# Altium PCB CM4-Main.PcbDoc
Units mm, origin at the board's own origin, x right, y up, seen from the top; angles counter-clockwise.
Board outline 66 x 66 mm, 6 copper layers (Top, GND1, Power, Signal, GND2, Bottom), stack 1.545 mm thick; 11 components, 0 nets, 210 pads, 0 vias.
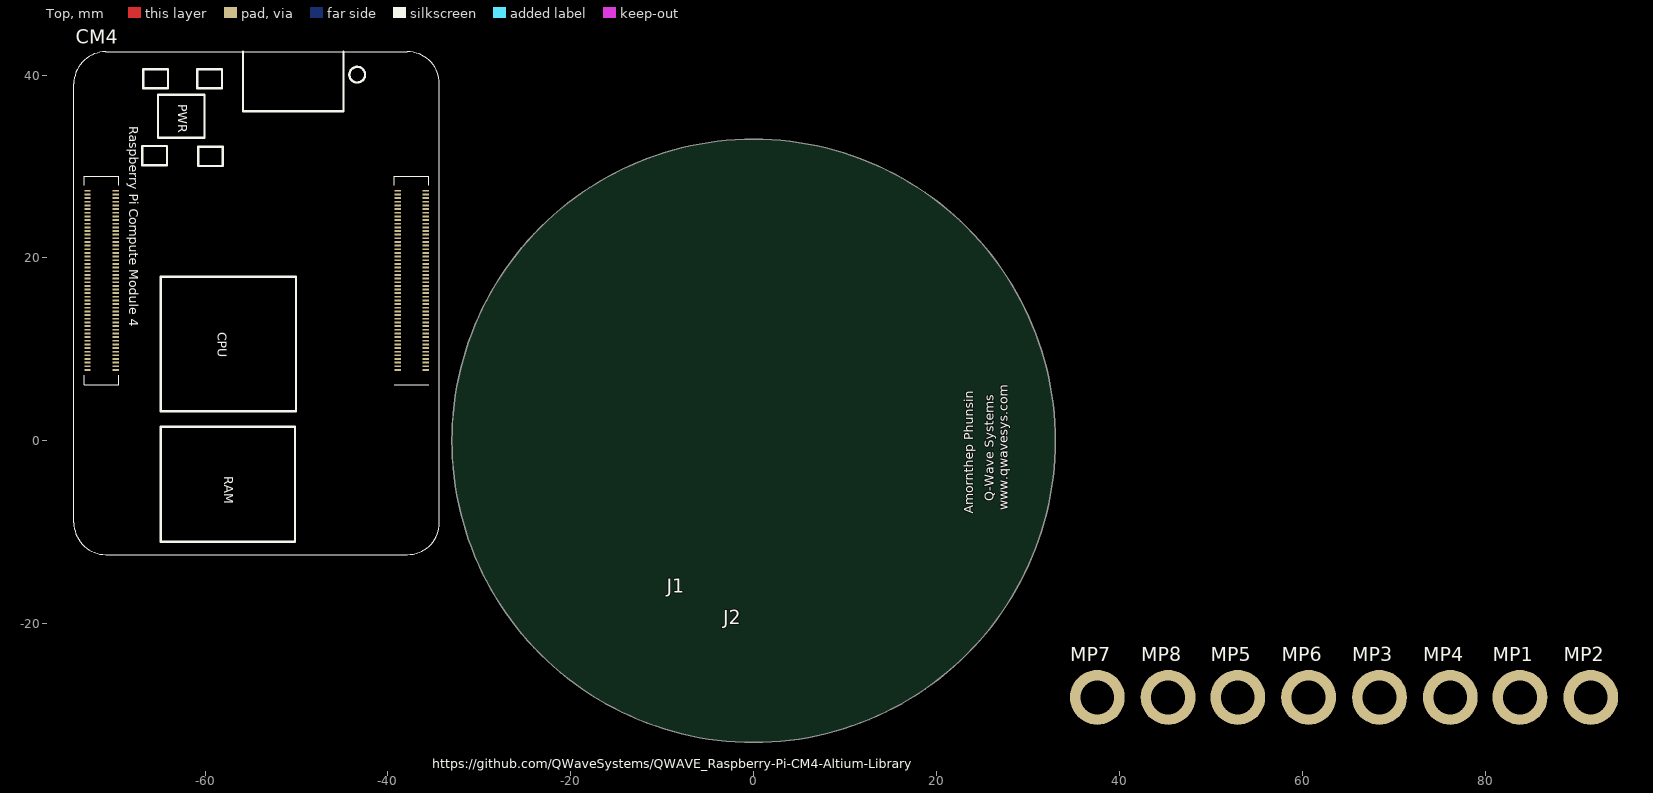
[diagram p0: Top view]
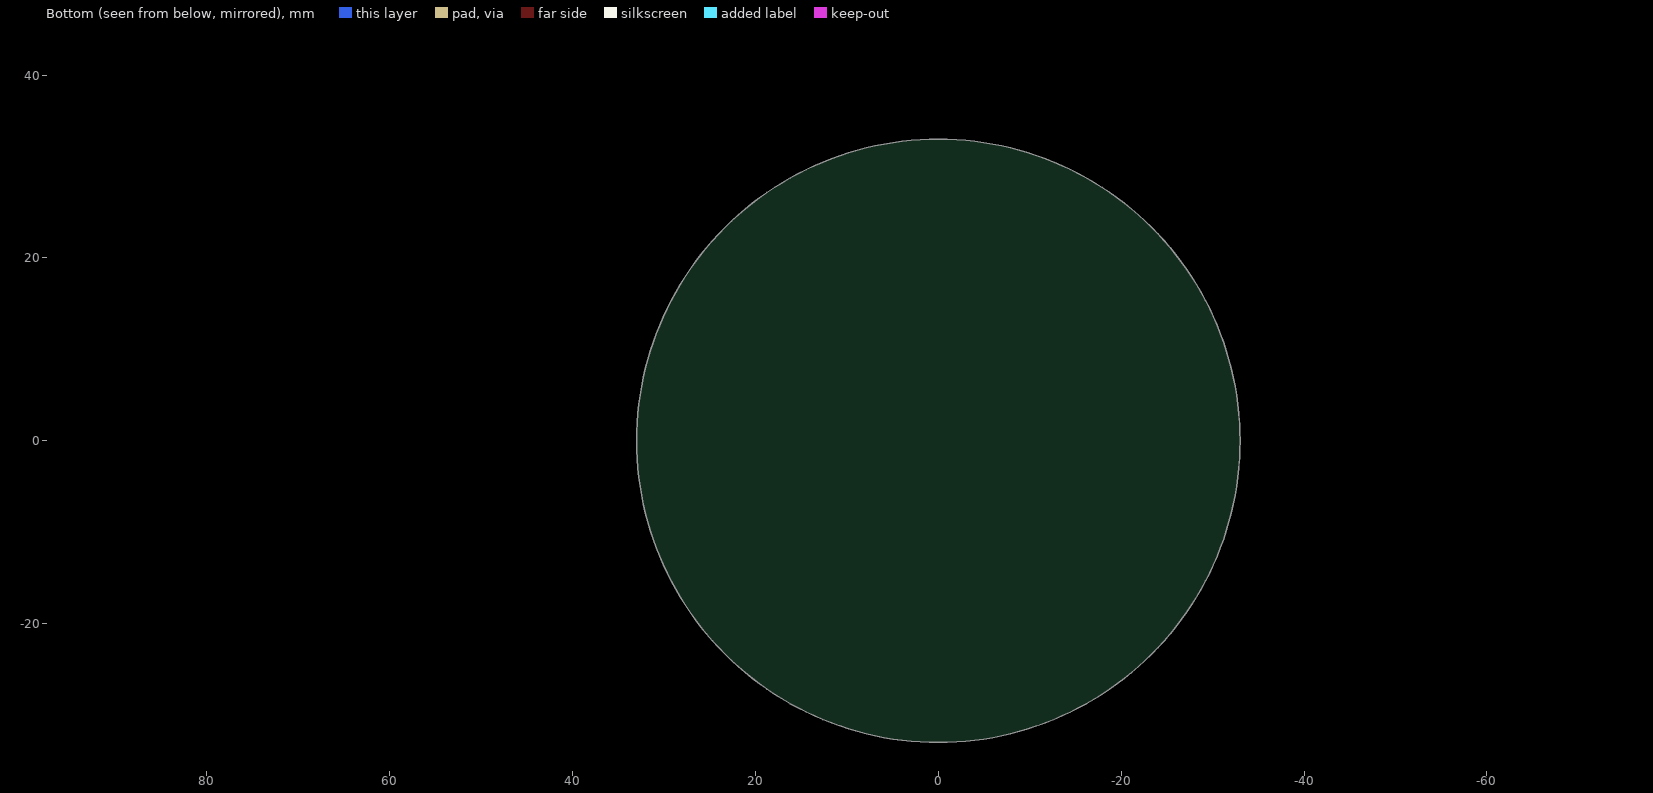
[diagram p1: Bottom view, seen from below]
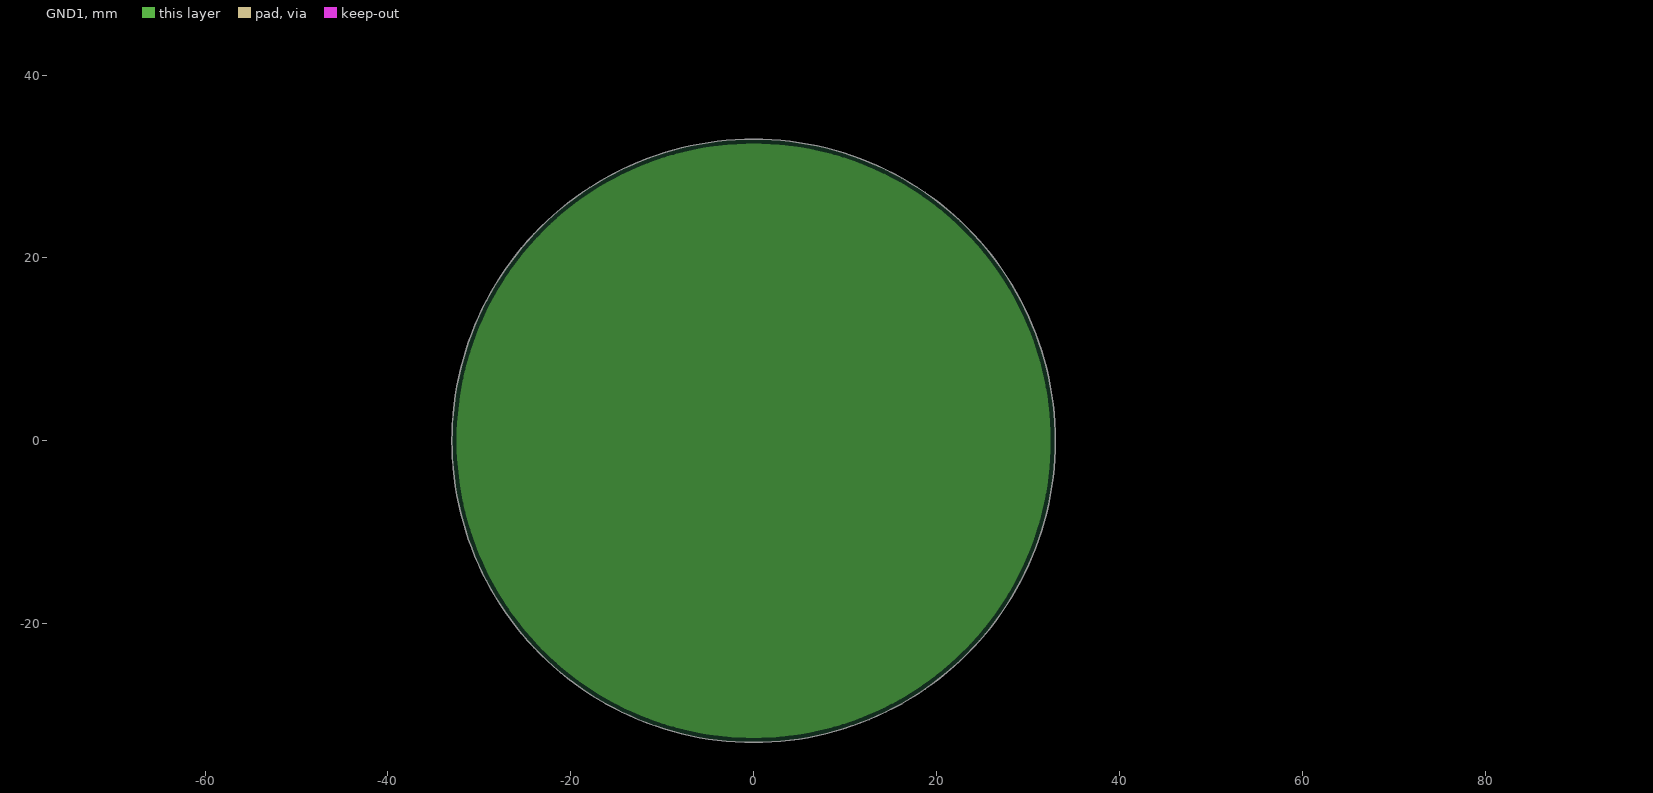
[diagram p2: GND1, clearances drawn from the general rule]
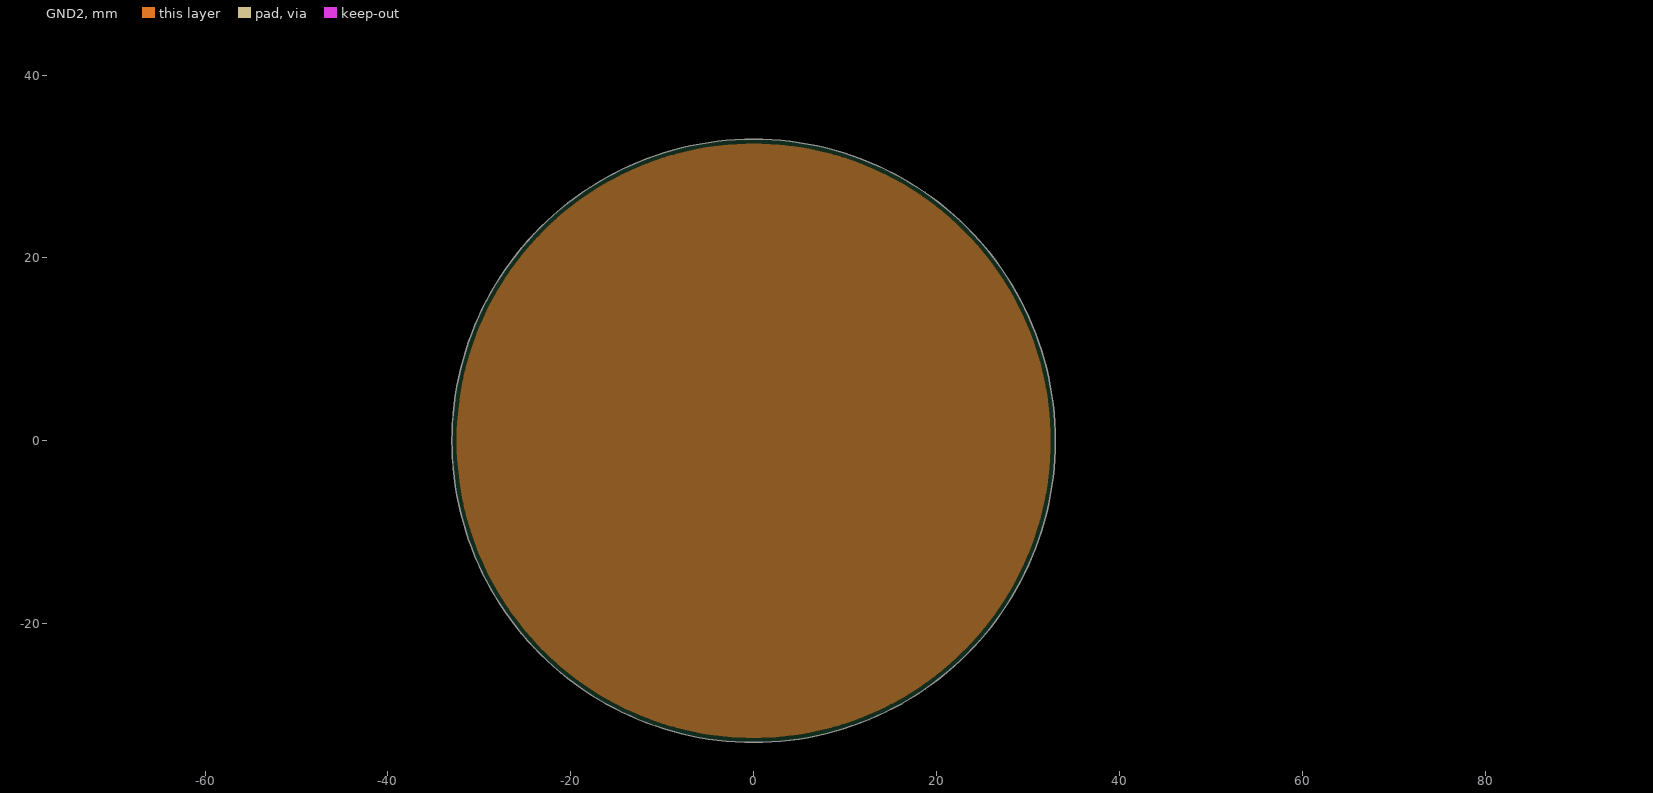
[diagram p3: GND2, clearances drawn from the general rule]

## Layer stack, top to bottom
Top Solder: solder mask 0.0254, SM-001, Dk 4
Top: signal copper 0.07
7628_PP1: prepreg 0.215, PP-S1000H, Dk 4.58
GND1: plane copper 0.07
2x2116_Core1: core 0.24, Core-S1000H, Dk 4.48
Power: signal copper 0.07
7628_PP2: prepreg 0.215, PP-S1000H, Dk 4.58
Signal: signal copper 0.07
2x2116_Core2: core 0.24, Core-S1000H, Dk 4.48
GND2: plane copper 0.07
7628_PP3: prepreg 0.215, PP-S1000H, Dk 4.58
Bottom: signal copper 0.07
Bottom Solder: solder mask 0.0254, SM-001, Dk 4

## Board outline
0,-33 cw(c0,0) -33,0 cw(c0,0) 0,33 cw(c0,0) 33,0 cw(c0,0)

## Design rules (kind name [scope] priority, off if disabled: settings)
Clearance [All] p1: gap=0.254 ignorepadtopadclearanceinfootprint=FALSE except(0: Arc-Hole Track-Hole SMDPad-Hole THPad-Hole Via-Hole Fill-Hole Poly-Hole Region-Hole Text-Hole)
PlaneClearance [All] p1: clearance=0.508
PlaneConnect [All] p1: planeconnectstyle=Relief reliefexpansion=0.508 reliefentries=4 reliefconductorwidth=0.254 reliefairgap=0.254
PolygonConnect [All] p1: connectstyle=Relief reliefconductorwidth=0.254 reliefentries=4 polygonreliefangle="90 Angle" airgapwidth=0.254
RoutingVias [All] p1: holewidth=0.711 width=1.27 viastyle="Through Hole" minholewidth=0.711 minwidth=1.27 maxholewidth=0.711 maxwidth=1.27
SolderMaskExpansion [All] p1: expansion=0.102 istentingtop=FALSE
Width [All] p1: maxlimit=0.254 minlimit=0.254 preferedwidth=0.254
28 further rules are at their usual default settings.

## Classes and differential pairs
differential pair class DIFF_USB2.0: USB2
differential pair class DIFF_PCIe: PCIE_CLK PCIE_RX PCIE_TX
differential pair class DIFF_MIPI: CAM0_C CAM0_D0 CAM0_D1 CAM1_C CAM1_D0 CAM1_D1 CAM1_D2 CAM1_D3 DSI0_C DSI0_D0 DSI0_D1 DSI1_C DSI1_D0 DSI1_D1 DSI1_D2 DSI1_D3
differential pair class DIFF_LAN_GB: TRD0 TRD1 TRD2 TRD3
differential pair class DIFF_HDMI: HDMI0_CLK HDMI0_TX0 HDMI0_TX1 HDMI0_TX2 HDMI1_CLK HDMI1_TX0 HDMI1_TX1 HDMI1_TX2
differential pair class DIFF_100Ohm_MIPI: CAM0_C CAM0_D0 CAM0_D1 CAM1_C CAM1_D0 CAM1_D1 CAM1_D2 CAM1_D3 DSI0_C DSI0_D0 DSI0_D1 DSI1_C DSI1_D0 DSI1_D1 DSI1_D2 DSI1_D3
differential pair class DIFF_100Ohm_HDMI: HDMI0_CLK HDMI0_TX0 HDMI0_TX1 HDMI0_TX2 HDMI1_CLK HDMI1_TX0 HDMI1_TX1 HDMI1_TX2
differential pair class DIFF_100Ohm_GBE: TRD0 TRD1 TRD2 TRD3
differential pair class DIFF_90Ohm_USB2.0: USB2
differential pair class DIFF_90Ohm_PCIe: PCIE_CLK PCIE_RX PCIE_TX
component class Connector: J1 J2
component class Spacer_M2.5: MP1 MP2 MP3 MP4 MP5 MP6 MP7 MP8
net class USB2.0_480Mbps: USB2_N
component class GPIO: CM4

## Components (designator, comment, footprint, x,y, rotation, side; value= is the part's Value field where it differs from the comment)
CM4 "Raspberry Pi Compute Module 4" CM4-F40C-100DS-0.4v_1.5mm_0mm -54.362,15.047 r0 top
J1 "Comment" CM4-DF40 -9.017,-17.78 r0 top
J2 "Comment" CM4-DF40 -2.413,-21.209 r0 top
MP1 "M2.5x1.5mm" 9774015151 83.82,-28.067 r0 top
MP2 "M2.5x1.5mm" 9774015151 91.567,-28.067 r0 top
MP3 "M2.5x1.5mm" 9774015151 68.453,-28.067 r0 top
MP4 "M2.5x1.5mm" 9774015151 76.2,-28.067 r0 top
MP5 "M2.5x3mm" 9774030151 52.959,-28.067 r0 top
MP6 "M2.5x3mm" 9774030151 60.706,-28.067 r0 top
MP7 "M2.5x3mm" 9774030151 37.592,-28.067 r0 top
MP8 "M2.5x3mm" 9774030151 45.339,-28.067 r0 top

## Footprints (in the part's own frame and the unit in brackets; to place one, negate y for a bottom-side part, rotate by r counter-clockwise, add the part's x,y. Pads: shape width x height; smd on the part's side, far side on the other; paste and mask are expansions set on the pad)
9774015151 [mm] "SMT Steel Spacer with internal Thread M2.5, height 1.5mm"
  round 6 / inner round 0 / far side round 0 hole 3.7 unplated: 1(0,0)
  body extent -2.55,-2.55 2.55,2.55, height 1.5
9774030151 [mm] "SMT Steel Spacer with internal Thread M2.5, height 3mm"
  round 6 / inner round 0 / far side round 0 hole 3.7 unplated: 1(0,0)
  body extent -2.55,-2.55 2.55,2.55, height 3
CM4-DF40 [mm] "DF40"
  round 0.5 on Top Overlay mask+0: NF(0,0)
CM4-F40C-100DS-0.4v_1.5mm_0mm [mm] "DF40C-100DS-0.4v by Amornthep Phunsin"
  rect 0.7x0.2 smd: 1(18.5,-7.3) 2(15.42,-7.3) 3(18.5,-6.9) 4(15.42,-6.9) 5(18.5,-6.5) 6(15.42,-6.5) 7(18.5,-6.1) 8(15.42,-6.1) 9(18.5,-5.7) 10(15.42,-5.7) 11(18.5,-5.3) 12(15.42,-5.3) 13(18.5,-4.9) 14(15.42,-4.9) 15(18.5,-4.5) 16(15.42,-4.5) 17(18.5,-4.1) 18(15.42,-4.1) 19(18.5,-3.7) 20(15.42,-3.7) 21(18.5,-3.3) 22(15.42,-3.3) 23(18.5,-2.9) 24(15.42,-2.9) 25(18.5,-2.5) 26(15.42,-2.5) 27(18.5,-2.1) 28(15.42,-2.1) 29(18.5,-1.7) 30(15.42,-1.7) 31(18.5,-1.3) 32(15.42,-1.3) 33(18.5,-0.9) 34(15.42,-0.9) 35(18.5,-0.5) 36(15.42,-0.5) 37(18.5,-0.1) 38(15.42,-0.1) 39(18.5,0.3) 40(15.42,0.3) 41(18.5,0.7) 42(15.42,0.7) 43(18.5,1.1) 44(15.42,1.1) 45(18.5,1.5) 46(15.42,1.5) 47(18.5,1.9) 48(15.42,1.9) 49(18.5,2.3) 50(15.42,2.3) 51(18.5,2.7) 52(15.42,2.7) 53(18.5,3.1) 54(15.42,3.1) 55(18.5,3.5) 56(15.42,3.5) 57(18.5,3.9) 58(15.42,3.9) 59(18.5,4.3) 60(15.42,4.3) 61(18.5,4.7) 62(15.42,4.7) 63(18.5,5.1) 64(15.42,5.1) 65(18.5,5.5) 66(15.42,5.5) 67(18.5,5.9) 68(15.42,5.9) 69(18.5,6.3) 70(15.42,6.3) 71(18.5,6.7) 72(15.42,6.7) 73(18.5,7.1) 74(15.42,7.1) 75(18.5,7.5) 76(15.42,7.5) 77(18.5,7.9) 78(15.42,7.9) 79(18.5,8.3) 80(15.42,8.3) 81(18.5,8.7) 82(15.42,8.7) 83(18.5,9.1) 84(15.42,9.1) 85(18.5,9.5) 86(15.42,9.5) 87(18.5,9.9) 88(15.42,9.9) 89(18.5,10.3) 90(15.42,10.3) 91(18.5,10.7) 92(15.42,10.7) 93(18.5,11.1) 94(15.42,11.1) 95(18.5,11.5) 96(15.42,11.5) 97(18.5,11.9) 98(15.42,11.9) 99(18.5,12.3) 100(15.42,12.3) 101(-15.42,-7.3) 102(-18.5,-7.3) 103(-15.42,-6.9) 104(-18.5,-6.9) 105(-15.42,-6.5) 106(-18.5,-6.5) 107(-15.42,-6.1) 108(-18.5,-6.1) 109(-15.42,-5.7) 110(-18.5,-5.7) 111(-15.42,-5.3) 112(-18.5,-5.3) 113(-15.42,-4.9) 114(-18.5,-4.9) 115(-15.42,-4.5) 116(-18.5,-4.5) 117(-15.42,-4.1) 118(-18.5,-4.1) 119(-15.42,-3.7) 120(-18.5,-3.7) 121(-15.42,-3.3) 122(-18.5,-3.3) 123(-15.42,-2.9) 124(-18.5,-2.9) 125(-15.42,-2.5) 126(-18.5,-2.5) 127(-15.42,-2.1) 128(-18.5,-2.1) 129(-15.42,-1.7) 130(-18.5,-1.7) 131(-15.42,-1.3) 132(-18.5,-1.3) 133(-15.42,-0.9) 134(-18.5,-0.9) 135(-15.42,-0.5) 136(-18.5,-0.5) 137(-15.42,-0.1) 138(-18.5,-0.1) 139(-15.42,0.3) 140(-18.5,0.3) 141(-15.42,0.7) 142(-18.5,0.7) 143(-15.42,1.1) 144(-18.5,1.1) 145(-15.42,1.5) 146(-18.5,1.5) 147(-15.42,1.9) 148(-18.5,1.9) 149(-15.42,2.3) 150(-18.5,2.3) 151(-15.42,2.7) 152(-18.5,2.7) 153(-15.42,3.1) 154(-18.5,3.1) 155(-15.42,3.5) 156(-18.5,3.5) 157(-15.42,3.9) 158(-18.5,3.9) 159(-15.42,4.3) 160(-18.5,4.3) 161(-15.42,4.7) 162(-18.5,4.7) 163(-15.42,5.1) 164(-18.5,5.1) 165(-15.42,5.5) 166(-18.5,5.5) 167(-15.42,5.9) 168(-18.5,5.9) 169(-15.42,6.3) 170(-18.5,6.3) 171(-15.42,6.7) 172(-18.5,6.7) 173(-15.42,7.1) 174(-18.5,7.1) 175(-15.42,7.5) 176(-18.5,7.5) 177(-15.42,7.9) 178(-18.5,7.9) 179(-15.42,8.3) 180(-18.5,8.3) 181(-15.42,8.7) 182(-18.5,8.7) 183(-15.42,9.1) 184(-18.5,9.1) 185(-15.42,9.5) 186(-18.5,9.5) 187(-15.42,9.9) 188(-18.5,9.9) 189(-15.42,10.3) 190(-18.5,10.3) 191(-15.42,10.7) 192(-18.5,10.7) 193(-15.42,11.1) 194(-18.5,11.1) 195(-15.42,11.5) 196(-18.5,11.5) 197(-15.42,11.9) 198(-18.5,11.9) 199(-15.42,12.3) 200(-18.5,12.3)
  silkscreen extent -20,-27.5 20,27.5, body extent -20,-27.5 20,27.5, height 5.16

## Part data
CM4: library part CM4, "Raspberry Pi Compute Module 4 by Amornthep Phunsin"
MP1 MP2 MP3 MP4: library part 9774015151, "WA-SMSI SMT Steel Spacer, M2.5 Thread Internal, OD 5.1mm, M2.5x1.5mm", Manufacturer="Wurth Elektronik", Operating Temperature="-55 to +150degC", ComponentLink1Description=Manufacturer, ComponentLink1URL=http://www.we-online.de, ComponentLink2Description=Datasheet, ComponentLink2URL=https://www.we-online.com/catalog/datasheet/9774015151.pdf, Inner Diameter=3.5mm, Inner Thread Length=-, Length=1.5mm, Manufacturer Part Number=9774015151, Material=Steel, Mounting Technology=SMT, Outer Diameter=5.1mm, Packaging=Bulk, Published Date="April 2020", Surface=Tin, Thread=M2.5
MP5 MP6 MP7 MP8: library part 9774030151, "WA-SMSI SMT Steel Spacer, M2.5 Thread Internal, OD 5.1mm, M2.5x3mm", Manufacturer="Wurth Elektronik", Operating Temperature="-55 to +150degC", ComponentLink1Description=Manufacturer, ComponentLink1URL=http://www.we-online.de, ComponentLink2Description=Datasheet, ComponentLink2URL=https://www.we-online.com/catalog/datasheet/9774030151.pdf, Inner Diameter=3.5mm, Inner Thread Length=-, Length=3mm, Manufacturer Part Number=9774030151, Material=Steel, Mounting Technology=SMT, Outer Diameter=5.1mm, Packaging=Bulk, Published Date="April 2020", Surface=Tin, Thread=M2.5

## Nets (pads, with @x,y where several pads share a name; then routed paths per layer and width w, separated by ;. In a path a pad name is that pad's centre, name@x,y a point inside that pad or via, vN(x,y) a via of type N, cw(c..) or ccw(c..) an arc to the next point about the centre after c; other vN are vias at no path point)
pads on no net: CM4.1 CM4.2 CM4.3 CM4.4 CM4.5 CM4.6 CM4.7 CM4.8 CM4.9 CM4.10 CM4.11 CM4.12 CM4.13 CM4.14 CM4.15 CM4.16 CM4.17 CM4.18 CM4.19 CM4.20 CM4.21 CM4.22 CM4.23 CM4.24 CM4.25 CM4.26 CM4.27 CM4.28 CM4.29 CM4.30 CM4.31 CM4.32 CM4.33 CM4.34 CM4.35 CM4.36 CM4.37 CM4.38 CM4.39 CM4.40 CM4.41 CM4.42 CM4.43 CM4.44 CM4.45 CM4.46 CM4.47 CM4.48 CM4.49 CM4.50 CM4.51 CM4.52 CM4.53 CM4.54 CM4.55 CM4.56 CM4.57 CM4.58 CM4.59 CM4.60 CM4.61 CM4.62 CM4.63 CM4.64 CM4.65 CM4.66 CM4.67 CM4.68 CM4.69 CM4.70 CM4.71 CM4.72 CM4.73 CM4.74 CM4.75 CM4.76 CM4.77 CM4.78 CM4.79 CM4.80 CM4.81 CM4.82 CM4.83 CM4.84 CM4.85 CM4.86 CM4.87 CM4.88 CM4.89 CM4.90 CM4.91 CM4.92 CM4.93 CM4.94 CM4.95 CM4.96 CM4.97 CM4.98 CM4.99 CM4.100 CM4.101 CM4.102 CM4.103 CM4.104 CM4.105 CM4.106 CM4.107 CM4.108 CM4.109 CM4.110 CM4.111 CM4.112 CM4.113 CM4.114 CM4.115 CM4.116 CM4.117 CM4.118 CM4.119 CM4.120 CM4.121 CM4.122 CM4.123 CM4.124 CM4.125 CM4.126 CM4.127 CM4.128 CM4.129 CM4.130 CM4.131 CM4.132 CM4.133 CM4.134 CM4.135 CM4.136 CM4.137 CM4.138 CM4.139 CM4.140 CM4.141 CM4.142 CM4.143 CM4.144 CM4.145 CM4.146 CM4.147 CM4.148 CM4.149 CM4.150 CM4.151 CM4.152 CM4.153 CM4.154 CM4.155 CM4.156 CM4.157 CM4.158 CM4.159 CM4.160 CM4.161 CM4.162 CM4.163 CM4.164 CM4.165 CM4.166 CM4.167 CM4.168 CM4.169 CM4.170 CM4.171 CM4.172 CM4.173 CM4.174 CM4.175 CM4.176 CM4.177 CM4.178 CM4.179 CM4.180 CM4.181 CM4.182 CM4.183 CM4.184 CM4.185 CM4.186 CM4.187 CM4.188 CM4.189 CM4.190 CM4.191 CM4.192 CM4.193 CM4.194 CM4.195 CM4.196 CM4.197 CM4.198 CM4.199 CM4.200 J1.NF J2.NF MP1.1 MP2.1 MP3.1 MP4.1 MP5.1 MP6.1 MP7.1 MP8.1

## Polygon pours and split planes (outlines as drawn)
no net on GND1 (split plane): 265 vertices, not listed, extent -32.492,-32.492 32.492,32.492
no net on GND2 (split plane): 265 vertices, not listed, extent -32.492,-32.492 32.492,32.492

## Silkscreen, mask and mechanical layers (free items; w line width, h text height)
Top Overlay:
  text "Q-Wave Systems" at 26.264,-6.629 h1 r90
  text "www.qwavesys.com" at 27.813,-7.62 h1 r90
  text "Amornthep Phunsin" at 24.003,-8.001 h1 r90
  text "https://github.com/QWaveSystems/QWAVE_Raspberry-Pi-CM4-Altium-Library" at -35.179,-35.814 h1
Mechanical 1:
  drawing of 214 lines, arcs and shapes, not listed
  text "I" at -20.823,107.502 h3.48
  text "m" at -19.628,107.502 h3.48
  text "p" at -17.041,107.502 h3.48
  text "e" at -15.448,107.502 h3.48
  text "d" at -13.856,107.502 h3.48
  text "a" at -12.263,107.502 h3.48
  text "n" at -10.67,107.502 h3.48
  text "c" at -9.078,107.502 h3.48
  text "e" at -7.684,107.502 h3.48
  text "s" at -6.092,107.502 h3.48
  text "3" at 0.437,107.502 h3.48
  text "G" at 2.029,107.502 h3.48
  text "H" at 4.02,107.502 h3.48
  text "z" at 6.011,107.502 h3.48
  text "#" at -13.869,103.72 h3.48
  text "T" at -3.338,103.72 h3.48
  text "a" at -1.348,103.72 h3.48
  text "r" at 0.245,103.72 h3.48
  text "g" at 1.24,103.72 h3.48
  text "e" at 2.833,103.72 h3.48
  text "t" at 4.425,103.72 h3.48
  text "(" at 6.416,103.72 h3.48
  text "Ω" at 7.61,103.72 h3.48
  text ")" at 9.8,103.72 h3.48
  text "T" at 13.948,103.72 h3.48
  text "y" at 15.938,103.72 h3.48
  text "p" at 17.531,103.72 h3.48
  text "e" at 19.123,103.72 h3.48
  text "T" at 23.684,103.72 h3.48
  text "r" at 25.674,103.72 h3.48
  text "a" at 26.67,103.72 h3.48
  text "c" at 28.262,103.72 h3.48
  text "e" at 29.656,103.72 h3.48
  text "l" at 32.243,103.72 h3.48
  text "a" at 32.642,103.72 h3.48
  text "y" at 34.234,103.72 h3.48
  text "e" at 35.827,103.72 h3.48
  text "r" at 37.419,103.72 h3.48
  text "C" at 39.777,103.72 h3.48
  text "a" at 41.569,103.72 h3.48
  text "l" at 43.162,103.72 h3.48
  text "c" at 43.56,103.72 h3.48
  text "u" at 44.953,103.72 h3.48
  text "l" at 46.546,103.72 h3.48
  text "a" at 46.944,103.72 h3.48
  text "t" at 48.536,103.72 h3.48
  text "e" at 49.532,103.72 h3.48
  text "d" at 51.124,103.72 h3.48
  text "(" at 53.712,103.72 h3.48
  text "Ω" at 54.906,103.72 h3.48
  text ")" at 57.096,103.72 h3.48
  text "T" at 59.845,103.72 h3.48
  text "r" at 61.836,103.72 h3.48
  text "a" at 62.831,103.72 h3.48
  text "c" at 64.424,103.72 h3.48
  text "e" at 65.817,103.72 h3.48
  text "w" at 68.405,103.72 h3.48
  text "i" at 70.396,103.72 h3.48
  text "d" at 70.794,103.72 h3.48
  text "t" at 72.386,103.72 h3.48
  text "h" at 73.382,103.72 h3.48
  text "(" at 75.969,103.72 h3.48
  text "m" at 77.164,103.72 h3.48
  text "m" at 79.752,103.72 h3.48
  text ")" at 82.34,103.72 h3.48
  text "G" at 84.88,103.72 h3.48
  text "a" at 86.871,103.72 h3.48
  text "p" at 88.463,103.72 h3.48
  text "(" at 91.051,103.72 h3.48
  text "m" at 92.245,103.72 h3.48
  text "m" at 94.833,103.72 h3.48
  text ")" at 97.421,103.72 h3.48
  text "R" at 100.179,103.72 h3.48
  text "e" at 101.971,103.72 h3.48
  text "f" at 103.563,103.72 h3.48
  text "e" at 104.558,103.72 h3.48
  text "r" at 106.151,103.72 h3.48
  text "e" at 107.146,103.72 h3.48
  text "n" at 108.739,103.72 h3.48
  text "c" at 110.331,103.72 h3.48
  text "e" at 111.725,103.72 h3.48
  text "l" at 114.313,103.72 h3.48
  text "a" at 114.711,103.72 h3.48
  text "y" at 116.303,103.72 h3.48
  text "e" at 117.896,103.72 h3.48
  text "r" at 119.488,103.72 h3.48
  text "s" at 120.484,103.72 h3.48
  text "1" at -13.471,99.937 h3.48
  text "5" at 2.225,99.937 h3.48
  text "0" at 3.818,99.937 h3.48
  text "S" at 13.749,99.937 h3.48
  text "i" at 15.342,99.937 h3.48
  text "n" at 15.74,99.937 h3.48
  text "g" at 17.332,99.937 h3.48
  text "l" at 18.925,99.937 h3.48
  text "e" at 19.323,99.937 h3.48
  text "B" at 26.267,99.937 h3.48
  text "o" at 28.058,99.937 h3.48
  text "t" at 29.651,99.937 h3.48
  text "t" at 30.646,99.937 h3.48
  text "o" at 31.641,99.937 h3.48
  text "m" at 33.234,99.937 h3.48
  text "4" at 43.751,99.937 h3.48
  text "9" at 45.344,99.937 h3.48
  text "." at 46.936,99.937 h3.48
  text "9" at 47.932,99.937 h3.48
  text "9" at 49.524,99.937 h3.48
  text "1" at 51.117,99.937 h3.48
  text "1" at 52.709,99.937 h3.48
  text "0" at 66.402,99.937 h3.48
  text "." at 67.994,99.937 h3.48
  text "3" at 68.99,99.937 h3.48
  text "3" at 70.582,99.937 h3.48
  text "2" at 72.175,99.937 h3.48
  text "9" at 73.767,99.937 h3.48
  text "1" at 75.36,99.937 h3.48
  text "G" at 107.133,99.937 h3.48
  text "N" at 109.124,99.937 h3.48
  text "D" at 111.114,99.937 h3.48
  text "2" at 113.105,99.937 h3.48
  text "2" at -13.471,92.373 h3.48
  text "5" at 2.225,92.373 h3.48
  text "0" at 3.818,92.373 h3.48
  text "S" at 13.749,92.373 h3.48
  text "i" at 15.342,92.373 h3.48
  text "n" at 15.74,92.373 h3.48
  text "g" at 17.332,92.373 h3.48
  text "l" at 18.925,92.373 h3.48
  text "e" at 19.323,92.373 h3.48
  text "S" at 27.459,92.373 h3.48
  text "i" at 29.051,92.373 h3.48
  text "g" at 29.449,92.373 h3.48
  text "n" at 31.042,92.373 h3.48
  text "a" at 32.634,92.373 h3.48
  text "l" at 34.227,92.373 h3.48
  text "4" at 44.546,92.373 h3.48
  text "9" at 46.138,92.373 h3.48
  text "." at 47.731,92.373 h3.48
  text "9" at 48.726,92.373 h3.48
  text "9" at 50.319,92.373 h3.48
  text "5" at 51.911,92.373 h3.48
  text "0" at 66.402,92.373 h3.48
  text "." at 67.994,92.373 h3.48
  text "2" at 68.99,92.373 h3.48
  text "7" at 70.582,92.373 h3.48
  text "5" at 72.175,92.373 h3.48
  text "2" at 73.767,92.373 h3.48
  text "5" at 75.36,92.373 h3.48
  text "G" at 107.133,92.373 h3.48
  text "N" at 109.124,92.373 h3.48
  text "D" at 111.114,92.373 h3.48
  text "2" at 113.105,92.373 h3.48
  text "3" at -13.471,84.808 h3.48
  text "5" at 2.225,84.808 h3.48
  text "0" at 3.818,84.808 h3.48
  text "S" at 13.749,84.808 h3.48
  text "i" at 15.342,84.808 h3.48
  text "n" at 15.74,84.808 h3.48
  text "g" at 17.332,84.808 h3.48
  text "l" at 18.925,84.808 h3.48
  text "e" at 19.323,84.808 h3.48
  text "T" at 28.452,84.808 h3.48
  text "o" at 30.443,84.808 h3.48
  text "p" at 32.035,84.808 h3.48
  text "4" at 43.751,84.808 h3.48
  text "9" at 45.344,84.808 h3.48
  text "." at 46.936,84.808 h3.48
  text "9" at 47.932,84.808 h3.48
  text "9" at 49.524,84.808 h3.48
  text "5" at 51.117,84.808 h3.48
  text "6" at 52.709,84.808 h3.48
  text "0" at 68.786,84.808 h3.48
  text "." at 70.379,84.808 h3.48
  text "3" at 71.374,84.808 h3.48
  text "3" at 72.966,84.808 h3.48
  text "G" at 107.133,84.808 h3.48
  text "N" at 109.124,84.808 h3.48
  text "D" at 111.114,84.808 h3.48
  text "1" at 113.105,84.808 h3.48
  text "1" at -14.266,73.461 h3.48
  text "0" at -12.674,73.461 h3.48
  text "9" at 2.225,73.461 h3.48
  text "0" at 3.818,73.461 h3.48
  text "D" at 12.358,73.461 h3.48
  text "i" at 14.349,73.461 h3.48
  text "f" at 14.747,73.461 h3.48
  text "f" at 15.742,73.461 h3.48
  text "p" at 17.733,73.461 h3.48
  text "a" at 19.326,73.461 h3.48
  text "i" at 20.918,73.461 h3.48
  text "r" at 21.316,73.461 h3.48
  text "B" at 26.267,73.461 h3.48
  text "o" at 28.058,73.461 h3.48
  text "t" at 29.651,73.461 h3.48
  text "t" at 30.646,73.461 h3.48
  text "o" at 31.641,73.461 h3.48
  text "m" at 33.234,73.461 h3.48
  text "8" at 43.751,73.461 h3.48
  text "9" at 45.344,73.461 h3.48
  text "." at 46.936,73.461 h3.48
  text "9" at 47.932,73.461 h3.48
  text "9" at 49.524,73.461 h3.48
  text "0" at 51.117,73.461 h3.48
  text "1" at 52.709,73.461 h3.48
  text "0" at 66.402,73.461 h3.48
  text "." at 67.994,73.461 h3.48
  text "2" at 68.99,73.461 h3.48
  text "3" at 70.582,73.461 h3.48
  text "4" at 72.175,73.461 h3.48
  text "9" at 73.767,73.461 h3.48
  text "7" at 75.36,73.461 h3.48
  text "0" at 87.264,73.461 h3.48
  text "." at 88.857,73.461 h3.48
  text "2" at 89.852,73.461 h3.48
  text "0" at 91.445,73.461 h3.48
  text "3" at 93.037,73.461 h3.48
  text "2" at 94.63,73.461 h3.48
  text "G" at 107.133,73.461 h3.48
  text "N" at 109.124,73.461 h3.48
  text "D" at 111.114,73.461 h3.48
  text "2" at 113.105,73.461 h3.48
  text "1" at -14.266,65.897 h3.48
  text "1" at -12.674,65.897 h3.48
  text "9" at 2.225,65.897 h3.48
  text "0" at 3.818,65.897 h3.48
  text "D" at 12.358,65.897 h3.48
  text "i" at 14.349,65.897 h3.48
  text "f" at 14.747,65.897 h3.48
  text "f" at 15.742,65.897 h3.48
  text "p" at 17.733,65.897 h3.48
  text "a" at 19.326,65.897 h3.48
  text "i" at 20.918,65.897 h3.48
  text "r" at 21.316,65.897 h3.48
  text "S" at 27.459,65.897 h3.48
  text "i" at 29.051,65.897 h3.48
  text "g" at 29.449,65.897 h3.48
  text "n" at 31.042,65.897 h3.48
  text "a" at 32.634,65.897 h3.48
  text "l" at 34.227,65.897 h3.48
  text "8" at 43.751,65.897 h3.48
  text "9" at 45.344,65.897 h3.48
  text "." at 46.936,65.897 h3.48
  text "9" at 47.932,65.897 h3.48
  text "8" at 49.524,65.897 h3.48
  text "1" at 51.117,65.897 h3.48
  text "8" at 52.709,65.897 h3.48
  text "0" at 66.402,65.897 h3.48
  text "." at 67.994,65.897 h3.48
  text "1" at 68.99,65.897 h3.48
  text "7" at 70.582,65.897 h3.48
  text "0" at 72.175,65.897 h3.48
  text "4" at 73.767,65.897 h3.48
  text "6" at 75.36,65.897 h3.48
  text "0" at 87.264,65.897 h3.48
  text "." at 88.857,65.897 h3.48
  text "2" at 89.852,65.897 h3.48
  text "7" at 91.445,65.897 h3.48
  text "9" at 93.037,65.897 h3.48
  text "4" at 94.63,65.897 h3.48
  text "G" at 107.133,65.897 h3.48
  text "N" at 109.124,65.897 h3.48
  text "D" at 111.114,65.897 h3.48
  text "2" at 113.105,65.897 h3.48
  text "1" at -14.266,58.332 h3.48
  text "2" at -12.674,58.332 h3.48
  text "9" at 2.225,58.332 h3.48
  text "0" at 3.818,58.332 h3.48
  text "D" at 12.358,58.332 h3.48
  text "i" at 14.349,58.332 h3.48
  text "f" at 14.747,58.332 h3.48
  text "f" at 15.742,58.332 h3.48
  text "p" at 17.733,58.332 h3.48
  text "a" at 19.326,58.332 h3.48
  text "i" at 20.918,58.332 h3.48
  text "r" at 21.316,58.332 h3.48
  text "T" at 28.452,58.332 h3.48
  text "o" at 30.443,58.332 h3.48
  text "p" at 32.035,58.332 h3.48
  text "8" at 43.751,58.332 h3.48
  text "9" at 45.344,58.332 h3.48
  text "." at 46.936,58.332 h3.48
  text "9" at 47.932,58.332 h3.48
  text "9" at 49.524,58.332 h3.48
  text "0" at 51.117,58.332 h3.48
  text "1" at 52.709,58.332 h3.48
  text "0" at 66.402,58.332 h3.48
  text "." at 67.994,58.332 h3.48
  text "2" at 68.99,58.332 h3.48
  text "3" at 70.582,58.332 h3.48
  text "4" at 72.175,58.332 h3.48
  text "9" at 73.767,58.332 h3.48
  text "7" at 75.36,58.332 h3.48
  text "0" at 87.264,58.332 h3.48
  text "." at 88.857,58.332 h3.48
  text "2" at 89.852,58.332 h3.48
  text "0" at 91.445,58.332 h3.48
  text "3" at 93.037,58.332 h3.48
  text "2" at 94.63,58.332 h3.48
  text "G" at 107.133,58.332 h3.48
  text "N" at 109.124,58.332 h3.48
  text "D" at 111.114,58.332 h3.48
  text "1" at 113.105,58.332 h3.48
  text "1" at -14.266,50.768 h3.48
  text "3" at -12.674,50.768 h3.48
  text "1" at 1.43,50.768 h3.48
  text "0" at 3.023,50.768 h3.48
  text "0" at 4.615,50.768 h3.48
  text "D" at 12.358,50.768 h3.48
  text "i" at 14.349,50.768 h3.48
  text "f" at 14.747,50.768 h3.48
  text "f" at 15.742,50.768 h3.48
  text "p" at 17.733,50.768 h3.48
  text "a" at 19.326,50.768 h3.48
  text "i" at 20.918,50.768 h3.48
  text "r" at 21.316,50.768 h3.48
  text "B" at 26.267,50.768 h3.48
  text "o" at 28.058,50.768 h3.48
  text "t" at 29.651,50.768 h3.48
  text "t" at 30.646,50.768 h3.48
  text "o" at 31.641,50.768 h3.48
  text "m" at 33.234,50.768 h3.48
  text "1" at 42.956,50.768 h3.48
  text "0" at 44.549,50.768 h3.48
  text "0" at 46.141,50.768 h3.48
  text "." at 47.734,50.768 h3.48
  text "0" at 48.729,50.768 h3.48
  text "0" at 50.322,50.768 h3.48
  text "8" at 51.914,50.768 h3.48
  text "5" at 53.507,50.768 h3.48
  text "0" at 66.402,50.768 h3.48
  text "." at 67.994,50.768 h3.48
  text "1" at 68.99,50.768 h3.48
  text "7" at 70.582,50.768 h3.48
  text "1" at 72.175,50.768 h3.48
  text "1" at 73.767,50.768 h3.48
  text "4" at 75.36,50.768 h3.48
  text "0" at 87.264,50.768 h3.48
  text "." at 88.857,50.768 h3.48
  text "2" at 89.852,50.768 h3.48
  text "0" at 91.445,50.768 h3.48
  text "3" at 93.037,50.768 h3.48
  text "2" at 94.63,50.768 h3.48
  text "G" at 107.133,50.768 h3.48
  text "N" at 109.124,50.768 h3.48
  text "D" at 111.114,50.768 h3.48
  text "2" at 113.105,50.768 h3.48
  text "1" at -14.266,43.203 h3.48
  text "4" at -12.674,43.203 h3.48
  text "1" at 1.43,43.203 h3.48
  text "0" at 3.023,43.203 h3.48
  text "0" at 4.615,43.203 h3.48
  text "D" at 12.358,43.203 h3.48
  text "i" at 14.349,43.203 h3.48
  text "f" at 14.747,43.203 h3.48
  text "f" at 15.742,43.203 h3.48
  text "p" at 17.733,43.203 h3.48
  text "a" at 19.326,43.203 h3.48
  text "i" at 20.918,43.203 h3.48
  text "r" at 21.316,43.203 h3.48
  text "S" at 27.459,43.203 h3.48
  text "i" at 29.051,43.203 h3.48
  text "g" at 29.449,43.203 h3.48
  text "n" at 31.042,43.203 h3.48
  text "a" at 32.634,43.203 h3.48
  text "l" at 34.227,43.203 h3.48
  text "1" at 42.956,43.203 h3.48
  text "0" at 44.549,43.203 h3.48
  text "0" at 46.141,43.203 h3.48
  text "." at 47.734,43.203 h3.48
  text "0" at 48.729,43.203 h3.48
  text "3" at 50.322,43.203 h3.48
  text "0" at 51.914,43.203 h3.48
  text "9" at 53.507,43.203 h3.48
  text "0" at 66.402,43.203 h3.48
  text "." at 67.994,43.203 h3.48
  text "1" at 68.99,43.203 h3.48
  text "6" at 70.582,43.203 h3.48
  text "2" at 72.175,43.203 h3.48
  text "4" at 73.767,43.203 h3.48
  text "6" at 75.36,43.203 h3.48
  text "0" at 87.264,43.203 h3.48
  text "." at 88.857,43.203 h3.48
  text "4" at 89.852,43.203 h3.48
  text "0" at 91.445,43.203 h3.48
  text "6" at 93.037,43.203 h3.48
  text "4" at 94.63,43.203 h3.48
  text "G" at 107.133,43.203 h3.48
  text "N" at 109.124,43.203 h3.48
  text "D" at 111.114,43.203 h3.48
  text "2" at 113.105,43.203 h3.48
  text "1" at -14.266,35.639 h3.48
  text "5" at -12.674,35.639 h3.48
  text "1" at 1.43,35.639 h3.48
  text "0" at 3.023,35.639 h3.48
  text "0" at 4.615,35.639 h3.48
  text "D" at 12.358,35.639 h3.48
  text "i" at 14.349,35.639 h3.48
  text "f" at 14.747,35.639 h3.48
  text "f" at 15.742,35.639 h3.48
  text "p" at 17.733,35.639 h3.48
  text "a" at 19.326,35.639 h3.48
  text "i" at 20.918,35.639 h3.48
  text "r" at 21.316,35.639 h3.48
  text "T" at 28.452,35.639 h3.48
  text "o" at 30.443,35.639 h3.48
  text "p" at 32.035,35.639 h3.48
  text "1" at 42.956,35.639 h3.48
  text "0" at 44.549,35.639 h3.48
  text "0" at 46.141,35.639 h3.48
  text "." at 47.734,35.639 h3.48
  text "0" at 48.729,35.639 h3.48
  text "0" at 50.322,35.639 h3.48
  text "8" at 51.914,35.639 h3.48
  text "5" at 53.507,35.639 h3.48
  text "0" at 66.402,35.639 h3.48
  text "." at 67.994,35.639 h3.48
  text "1" at 68.99,35.639 h3.48
  text "7" at 70.582,35.639 h3.48
  text "1" at 72.175,35.639 h3.48
  text "1" at 73.767,35.639 h3.48
  text "4" at 75.36,35.639 h3.48
  text "0" at 87.264,35.639 h3.48
  text "." at 88.857,35.639 h3.48
  text "2" at 89.852,35.639 h3.48
  text "0" at 91.445,35.639 h3.48
  text "3" at 93.037,35.639 h3.48
  text "2" at 94.63,35.639 h3.48
  text "G" at 107.133,35.639 h3.48
  text "N" at 109.124,35.639 h3.48
  text "D" at 111.114,35.639 h3.48
  text "1" at 113.105,35.639 h3.48
  text "Layer" at 38.757,32.758 h1.52
  text "Name" at 49.168,32.758 h1.52
  text "Material" at 82.941,32.758 h1.52
  text "Thickness" at 103.509,32.758 h1.52
  text "Constant" at 120.015,32.758 h1.52
  text "Top Overlay" at 49.168,29.71 h1.52
  text "Top Solder" at 49.168,26.662 h1.52
  text "SM-001" at 82.941,26.662 h1.52
  text "0.025mm" at 103.509,26.662 h1.52
  text "4" at 120.015,26.662 h1.52
  text "Top Surface Finish" at 49.168,23.614 h1.52
  text "Nickel, Gold" at 82.941,23.614 h1.52
  text "0.004mm" at 103.509,23.614 h1.52
  text "1" at 38.757,20.566 h1.52
  text "Top" at 49.168,20.566 h1.52
  text "CF-005" at 82.941,20.566 h1.52
  text "0.070mm" at 103.509,20.566 h1.52
  text "7628_PP1" at 49.168,17.518 h1.52
  text "PP-S1000H" at 82.941,17.518 h1.52
  text "0.215mm" at 103.509,17.518 h1.52
  text "4.58" at 120.015,17.518 h1.52
  text "2" at 38.757,14.47 h1.52
  text "GND1" at 49.168,14.47 h1.52
  text "CF-005" at 82.941,14.47 h1.52
  text "0.070mm" at 103.509,14.47 h1.52
  text "2x2116_Core1" at 49.168,11.422 h1.52
  text "Core-S1000H" at 82.941,11.422 h1.52
  text "0.240mm" at 103.509,11.422 h1.52
  text "4.48" at 120.015,11.422 h1.52
  text "3" at 38.757,8.374 h1.52
  text "Power" at 49.168,8.374 h1.52
  text "CF-005" at 82.941,8.374 h1.52
  text "0.070mm" at 103.509,8.374 h1.52
  text "7628_PP2" at 49.168,5.326 h1.52
  text "PP-S1000H" at 82.941,5.326 h1.52
  text "0.215mm" at 103.509,5.326 h1.52
  text "4.58" at 120.015,5.326 h1.52
  text "4" at 38.757,2.278 h1.52
  text "Signal" at 49.168,2.278 h1.52
  text "CF-005" at 82.941,2.278 h1.52
  text "0.070mm" at 103.509,2.278 h1.52
  text "2x2116_Core2" at 49.168,-0.77 h1.52
  text "Core-S1000H" at 82.941,-0.77 h1.52
  text "0.240mm" at 103.509,-0.77 h1.52
  text "4.48" at 120.015,-0.77 h1.52
  text "5" at 38.757,-3.818 h1.52
  text "GND2" at 49.168,-3.818 h1.52
  text "CF-005" at 82.941,-3.818 h1.52
  text "0.070mm" at 103.509,-3.818 h1.52
  text "7628_PP3" at 49.168,-6.866 h1.52
  text "PP-S1000H" at 82.941,-6.866 h1.52
  text "0.215mm" at 103.509,-6.866 h1.52
  text "4.58" at 120.015,-6.866 h1.52
  text "6" at 38.757,-9.914 h1.52
  text "Bottom" at 49.168,-9.914 h1.52
  text "CF-005" at 82.941,-9.914 h1.52
  text "0.070mm" at 103.509,-9.914 h1.52
  text "Bottom Surface Finish" at 49.168,-12.962 h1.52
  text "Nickel, Gold" at 82.941,-12.962 h1.52
  text "0.004mm" at 103.509,-12.962 h1.52
  text "Bottom Solder" at 49.168,-16.01 h1.52
  text "SM-001" at 82.941,-16.01 h1.52
  text "0.025mm" at 103.509,-16.01 h1.52
  text "4" at 120.015,-16.01 h1.52
  text "Bottom Overlay" at 49.168,-19.058 h1.52
  text "Total board thickness:" at 38.757,-22.106 h1.52
  text "1.604mm" at 103.509,-22.106 h1.52

## Text inside footprints (layer, text, board x,y; h text height)
CM4: Top Overlay "PWR" at -62.964,36.808 h1 r270; Top Overlay "RAM" at -57.908,-3.907 h1 r270; Top Overlay "CPU" at -58.608,11.893 h1 r270; Mechanical 4 "Wireless / Cutout" at -55.294,38.147 h0.9; Mechanical 4 "PCIe" at -72.362,11.996 h0.7 r270; Mechanical 4 "USB" at -71.262,10.913 h0.7 r270; Mechanical 4 "CAM1" at -71.262,15.796 h0.7 r270; Mechanical 4 "HDMI1" at -72.462,21.005 h0.7 r270; Mechanical 4 "ETH" at -37.862,10.296 h0.7 r270; Mechanical 4 "TV" at -71.362,12.296 h0.7 r270; Mechanical 4 "HDMI0" at -72.362,25.422 h0.7 r270; Mechanical 4 "CAM0" at -72.362,15.83 h0.7 r270; Mechanical 4 "5V" at -37.362,24.947 h0.7 r270; Mechanical 4 "DSI0" at -71.262,21.996 h0.7 r270; Mechanical 4 "DS1" at -71.862,28.096 h0.7 r270; Mechanical 4 "1V8" at -38.562,26.272 h0.7 r270; Mechanical 4 "3V3" at -38.562,23.672 h0.7 r270; Mechanical 4 "SD" at -37.962,22.038 h0.7 r270; Mechanical 4 "GPIO" at -37.862,15.672 h0.7 r270